# Altium PCB ARDUINO1.PcbDoc (part 2 of 2)
Units mil, origin at the board's own origin, x right, y up, seen from the top; angles counter-clockwise.
Board outline 6000 x 4000 mil, 2 copper layers (Top Layer, Bottom Layer); 24 components, 102 nets, 195 pads, 23 vias.
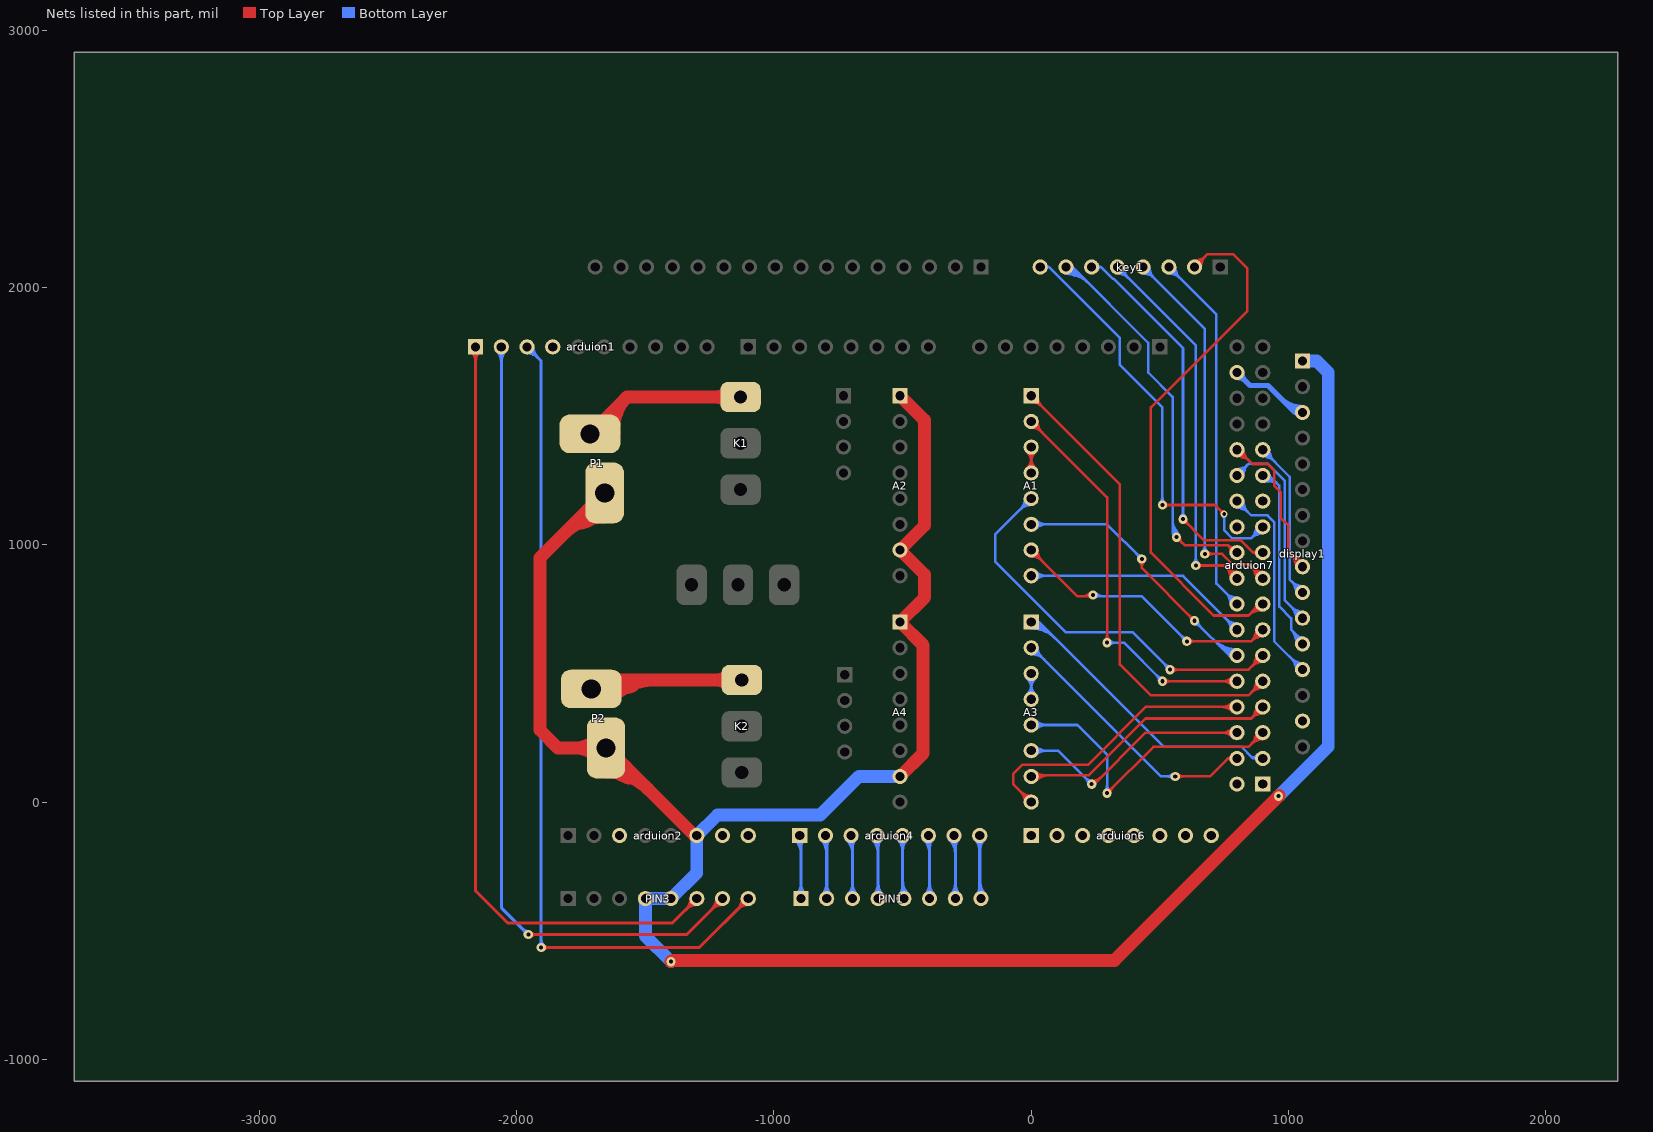
[diagram p2: the nets of this part, all layers, seen from the top]

## Via types
v1: diameter 36, hole 16, Top Layer to Bottom Layer, 22 vias
v2: diameter 28, hole 14, Top Layer to Bottom Layer, 1 vias

## Nets (pads, with @x,y where several pads share a name; then routed paths per layer and width w, separated by ;. In a path a pad name is that pad's centre, name@x,y a point inside that pad or via, vN(x,y) a via of type N, cw(c..) or ccw(c..) an arc to the next point about the centre after c; other vN are vias at no path point) (continued)
28: arduion7.28 display1.9 | length 1324.1
  Top Layer w10: arduion7.28@794.73,1368.54 ccw(c835.6,1379.84) 824.63,1338.87 ; arduion7.28@800,1370 805,1370 860.47,1314.53 918.44,1314.53 944.53,1288.44 944.53,1230.47 970,1205 970,1105 1000,1075 1000,970 display1.9@1055,915 ; arduion7.28@800.69,1375.43 cw(c796.32,1340.93) 829.9,1349.93 ; 1024.48,937.35 ccw(c1061.61,947.3) display1.9@1053.9,909.64 ; 1032.65,945.52 cw(c1022.7,908.39) display1.9@1060.36,916.1 ; 1013.13,956.87 cw(c971.26,915) 1030.47,915 ccw(c971.26,915) 1013.13,956.87 ; 1013.13,956.87 ccw(c1055,998.74) 1055,939.53 cw(c1055,998.74) 1013.13,956.87 ; 1030.2,939.8 cw(c1005.4,915) 1040.47,915 ccw(c1005.4,915) 1030.2,939.8 ; 1030.2,939.8 ccw(c1055,964.6) 1055,929.53 cw(c1055,964.6) 1030.2,939.8 ; arduion7.28@800,1345.47 cw(c800,1274.19) 850.41,1324.59 ccw(c800,1274.19) arduion7.28@800,1345.47 ; arduion7.28@800,1355.47 cw(c800,1308.33) 833.34,1341.66 ccw(c800,1308.33) arduion7.28@800,1355.47 ; arduion7.28@824.53,1370 ccw(c871.67,1370) 838.34,1336.66 cw(c871.67,1370) arduion7.28@824.53,1370
29: arduion7.27 display1.10 | length 1381.8
  Bottom Layer w10: arduion7.27@894.64,1368.9 ccw(c932.3,1376.61) 922.35,1339.48 ; arduion7.27@900,1370 1005,1265 1005,865 display1.10@1055,815 ; arduion7.27@901.1,1375.36 cw(c893.39,1337.7) 930.52,1347.65 ; 1024.48,837.35 ccw(c1061.61,847.3) display1.10@1053.9,809.64 ; 1032.65,845.52 cw(c1022.7,808.39) display1.10@1060.36,816.1 ; 924.8,1345.2 cw(c949.6,1370) 914.53,1370 ccw(c949.6,1370) 924.8,1345.2 ; 924.8,1345.2 ccw(c900,1320.4) 900,1355.47 cw(c900,1320.4) 924.8,1345.2 ; 941.87,1328.13 cw(c983.74,1370) 924.53,1370 ccw(c983.74,1370) 941.87,1328.13 ; 941.87,1328.13 ccw(c900,1286.26) 900,1345.47 cw(c900,1286.26) 941.87,1328.13 ; 1013.13,856.87 cw(c971.26,815) 1030.47,815 ccw(c971.26,815) 1013.13,856.87 ; 1013.13,856.87 ccw(c1055,898.74) 1055,839.53 cw(c1055,898.74) 1013.13,856.87 ; 1030.2,839.8 cw(c1005.4,815) 1040.47,815 ccw(c1005.4,815) 1030.2,839.8 ; 1030.2,839.8 ccw(c1055,864.6) 1055,829.53 cw(c1055,864.6) 1030.2,839.8
30: arduion7.26 display1.11 | length 1557.2
  Bottom Layer w10: arduion7.26@794.64,1271.1 cw(c832.3,1263.39) 822.35,1300.52 ; arduion7.26@800,1270 845,1315 920,1315 985,1250 985,785 display1.11@1055,715 ; arduion7.26@801.1,1264.64 ccw(c793.39,1302.3) 830.52,1292.35 ; 1024.48,737.35 ccw(c1061.61,747.3) display1.11@1053.9,709.64 ; 1032.65,745.52 cw(c1022.7,708.39) display1.11@1060.36,716.1 ; 824.8,1294.8 cw(c800,1319.6) 800,1284.53 ccw(c800,1319.6) 824.8,1294.8 ; 824.8,1294.8 ccw(c849.6,1270) 814.53,1270 cw(c849.6,1270) 824.8,1294.8 ; 841.87,1311.87 cw(c800,1353.74) 800,1294.53 ccw(c800,1353.74) 841.87,1311.87 ; 841.87,1311.87 ccw(c883.74,1270) 824.53,1270 cw(c883.74,1270) 841.87,1311.87 ; 1013.13,756.87 cw(c971.26,715) 1030.47,715 ccw(c971.26,715) 1013.13,756.87 ; 1013.13,756.87 ccw(c1055,798.74) 1055,739.53 cw(c1055,798.74) 1013.13,756.87 ; 1030.2,739.8 cw(c1005.4,715) 1040.47,715 ccw(c1005.4,715) 1030.2,739.8 ; 1030.2,739.8 ccw(c1055,764.6) 1055,729.53 cw(c1055,764.6) 1030.2,739.8
31: arduion7.25 display1.12 | length 1391.1
  Bottom Layer w10: arduion7.25@888.91,1259.21 ccw(c920.11,1289.58) 919.52,1246.05 ; arduion7.25@900,1270 925,1270 965,1230 ; 1024.49,648 ccw(c1078.11,658.37) display1.12@1052.43,610.17 ; display1.12@1055,615 1055,625.94 1010.47,670.47 ; 965,1230 ccw(c921.25,1186.25) 906.03,1246.23 cw(c921.25,1186.25) 965,1230 ; 965,1230 965,760 1010.47,714.53 1010.47,670.47 ; 1010.47,670.47 cw(c961.63,621.62) 1030.53,616.74 ccw(c961.63,621.62) 1010.47,670.47 ; arduion7.25@901.11,1265.61 cw(c911.18,1225.94) 940.12,1254.88 ccw(c911.18,1225.94) arduion7.25@901.11,1265.61 ; arduion7.25@903.57,1255.92 cw(c916.21,1206.09) 952.56,1242.44 ccw(c916.21,1206.09) arduion7.25@903.57,1255.92 ; 1025.97,654.98 cw(c990.57,619.57) 1040.51,616.03 ccw(c990.57,619.57) 1025.97,654.98 ; 1031.81,649.13 ccw(c1055,672.32) 1055,639.53 cw(c1055,672.32) 1031.81,649.13
32: arduion7.24 display1.13 | length 1560.1
  Bottom Layer w10: arduion7.24@794.64,1168.9 ccw(c832.3,1176.61) 822.35,1139.48 ; arduion7.24@800,1170 855.47,1114.53 918.44,1114.53 944.53,1088.44 944.53,625.47 display1.13@1055,515 ; arduion7.24@801.1,1175.36 cw(c793.39,1137.7) 830.52,1147.65 ; 1024.48,537.35 ccw(c1061.61,547.3) display1.13@1053.9,509.64 ; 1032.65,545.52 cw(c1022.7,508.39) display1.13@1060.36,516.1 ; 824.8,1145.2 cw(c849.6,1170) 814.53,1170 ccw(c849.6,1170) 824.8,1145.2 ; 824.8,1145.2 ccw(c800,1120.4) 800,1155.47 cw(c800,1120.4) 824.8,1145.2 ; 841.87,1128.13 cw(c883.74,1170) 824.53,1170 ccw(c883.74,1170) 841.87,1128.13 ; 841.87,1128.13 ccw(c800,1086.26) 800,1145.47 cw(c800,1086.26) 841.87,1128.13 ; 1013.13,556.87 cw(c971.26,515) 1030.47,515 ccw(c971.26,515) 1013.13,556.87 ; 1013.13,556.87 ccw(c1055,598.74) 1055,539.53 cw(c1055,598.74) 1013.13,556.87 ; 1030.2,539.8 cw(c1005.4,515) 1040.47,515 ccw(c1005.4,515) 1030.2,539.8 ; 1030.2,539.8 ccw(c1055,564.6) 1055,529.53 cw(c1055,564.6) 1030.2,539.8
33: arduion7.23 | length 10.9
  Top Layer w10: arduion7.23@900,1159.06 arduion7.23@900,1170
34: arduion7.22
35: arduion7.21 key1.8 | length 2470.1
  Top Layer w10: v1(510,1155) 715,1155 v2(750,1120) ; 738.38,1129.78 ccw(c752.79,1133.64) v2@749.8,1119.02 ; 740.22,1131.62 cw(c736.36,1117.21) v2@750.98,1120.2 ; 541.38,1155 cw(c541.38,1186.38) 519.19,1164.19 ccw(c541.38,1186.38) 541.38,1155 ; 541.38,1155 ccw(c541.38,1123.62) 519.19,1145.81 cw(c541.38,1123.62) 541.38,1155 ; 734.64,1135.36 cw(c719.27,1120) 741,1120 ccw(c719.27,1120) 734.64,1135.36 ; 734.64,1135.36 ccw(c750,1150.73) 750,1129 cw(c750,1150.73) 734.64,1135.36
  Bottom Layer w10: key1.8@35,2080 70,2080 ; v1(510,1155) 510,1535 345,1700 345,1805 70,2080 ; v2@755.47,1114.53 v2(750,1120) 750,1057.03 781.56,1025.47 855.47,1025.47 arduion7.21@900,1070 arduion7.21@889.06,1070 ; 869.48,1047.65 cw(c906.61,1037.7) arduion7.21@898.9,1075.36 ; 877.65,1039.48 ccw(c867.7,1076.61) arduion7.21@905.36,1068.9 ; 70,2080 cw(c70,2092.71) 58.06,2088.37 ccw(c70,2092.71) 70,2080 ; 70,2080 ccw(c70,2067.29) 58.06,2071.63 cw(c70,2067.29) 70,2080 ; 510,1186.38 cw(c478.62,1186.38) 500.81,1164.19 ccw(c478.62,1186.38) 510,1186.38 ; 510,1186.38 ccw(c541.38,1186.38) 519.19,1164.19 cw(c541.38,1186.38) 510,1186.38 ; 750,1098.27 cw(c771.73,1098.27) 756.36,1113.64 ccw(c771.73,1098.27) 750,1098.27 ; 750,1098.27 ccw(c728.27,1098.27) 743.64,1113.64 cw(c728.27,1098.27) 750,1098.27 ; 858.13,1028.13 cw(c900,986.26) 900,1045.47 ccw(c900,986.26) 858.13,1028.13 ; 858.13,1028.13 ccw(c816.26,1070) 875.47,1070 cw(c816.26,1070) 858.13,1028.13 ; 875.2,1045.2 cw(c900,1020.4) 900,1055.47 ccw(c900,1020.4) 875.2,1045.2 ; 875.2,1045.2 ccw(c850.4,1070) 885.47,1070 cw(c850.4,1070) 875.2,1045.2
36: arduion7.20 key1.7 | length 2918.3
  Top Layer w10: v1(565,1030) 597,998 765.31,998 ; arduion7.20@800,970 793.31,970 765.31,998 ; 587.19,1007.81 cw(c609.38,1030) 578,1030 ccw(c609.38,1030) 587.19,1007.81 ; 587.19,1007.81 ccw(c565,985.62) 565,1017 cw(c565,985.62) 587.19,1007.81 ; 765.31,998 cw(c740.57,973.26) 775.51,971.34 ccw(c740.57,973.26) 765.31,998 ; 765.31,998 ccw(c782.06,1014.74) 790.87,992.77 cw(c782.06,1014.74) 765.31,998 ; 776.03,987.29 ccw(c788.19,999.45) 794.59,983.48 cw(c788.19,999.45) 776.03,987.29
  Bottom Layer w10: key1.7@121.3,2072.81 ccw(c157.29,2091.69) 147.13,2052.34 ; key1.7@130.15,2077.46 ccw(c184.22,2105.82) 168.96,2046.71 ; key1.7@135,2080 160,2080 455,1785 455,1670 550,1575 550,1045 v1(565,1030) ; key1.7@139.01,2082.1 ccw(c211.14,2119.95) 190.79,2041.08 ; key1.7@139.2,2081.7 ccw(c178.3,2097.56) 167.38,2056.8 ; key1.7@148.46,2085.46 ccw(c201.63,2107.02) 186.78,2051.6 ; key1.7@149.29,2082.6 ccw(c167.49,2085.92) 162.7,2068.05 ; 552.83,1056.88 cw(c533.72,1045.85) v1@553.4,1035.87 ; v1@554.71,1037.94 ccw(c532.63,1054.96) 556.67,1069.06 ; 555.31,1052.57 ccw(c573.93,1063.32) v1@568.36,1042.56 ; v1@562.62,1031.83 ccw(c545.29,1045.2) 564.17,1056.28 ; key1.7@135,2055.47 cw(c135,1935.9) 219.55,2020.45 ccw(c135,1935.9) key1.7@135,2055.47 ; key1.7@135,2065.47 cw(c135,1970.04) 202.48,2037.52 ccw(c135,1970.04) key1.7@135,2065.47 ; key1.7@135,2075.47 cw(c135,2004.19) 185.41,2054.59 ccw(c135,2004.19) key1.7@135,2075.47 ; key1.7@135,2085.47 cw(c135,2038.33) 168.34,2071.66 ccw(c135,2038.33) key1.7@135,2085.47 ; 550,1049.31 ccw(c584.31,1049.31) 560.05,1025.05 cw(c584.31,1049.31) 550,1049.31 ; 550,1073.46 ccw(c608.46,1073.46) 567.12,1032.12 cw(c608.46,1073.46) 550,1073.46 ; 550,1097.6 ccw(c632.6,1097.6) 574.19,1039.19 cw(c632.6,1097.6) 550,1097.6
37: arduion7.19 key1.6 | length 1858.3
  Top Layer w10: v1(590,1100) 672,1018 814.97,1018 862.97,970 ; arduion7.19@900,970 862.97,970 ; 612.19,1077.81 cw(c634.38,1100) 603,1100 ccw(c634.38,1100) 612.19,1077.81 ; 612.19,1077.81 ccw(c590,1055.62) 590,1087 cw(c590,1055.62) 612.19,1077.81 ; 862.97,970 cw(c862.97,954.32) 877.42,960.43 ccw(c862.97,954.32) 862.97,970 ; 862.97,970 ccw(c862.97,985.68) 877.42,979.57 cw(c862.97,985.68) 862.97,970
  Bottom Layer w10: key1.6@235,2080 272.03,2080 ; v1(590,1100) 590,1765 319.53,2035.47 316.56,2035.47 272.03,2080 ; 272.03,2080 cw(c272.03,2095.68) 257.58,2089.57 ccw(c272.03,2095.68) 272.03,2080 ; 272.03,2080 ccw(c272.03,2064.32) 257.58,2070.43 cw(c272.03,2064.32) 272.03,2080 ; 590,1131.38 cw(c558.62,1131.38) 580.81,1109.19 ccw(c558.62,1131.38) 590,1131.38 ; 590,1131.38 ccw(c621.38,1131.38) 599.19,1109.19 cw(c621.38,1131.38) 590,1131.38
38: arduion7.18 key1.5 | length 2426.9
  Top Layer w10: v1(640,920) 750,920 arduion7.18@800,870 ; 769.48,892.35 ccw(c806.61,902.3) arduion7.18@798.9,864.64 ; 777.65,900.52 cw(c767.7,863.39) arduion7.18@805.36,871.1 ; 671.38,920 cw(c671.38,951.38) 649.19,929.19 ccw(c671.38,951.38) 671.38,920 ; 671.38,920 ccw(c671.38,888.62) 649.19,910.81 cw(c671.38,888.62) 671.38,920 ; 758.13,911.87 cw(c716.26,870) 775.47,870 ccw(c716.26,870) 758.13,911.87 ; 758.13,911.87 ccw(c800,953.74) 800,894.53 cw(c800,953.74) 758.13,911.87 ; 775.2,894.8 cw(c750.4,870) 785.47,870 ccw(c750.4,870) 775.2,894.8 ; 775.2,894.8 ccw(c800,919.6) 800,884.53 cw(c800,919.6) 775.2,894.8
  Bottom Layer w10: key1.5@329.64,2078.9 ccw(c367.3,2086.61) 357.35,2049.48 ; key1.5@335,2080 640,1775 v1(640,920) ; key1.5@336.1,2085.36 cw(c328.39,2047.7) 365.52,2057.65 ; 359.8,2055.2 cw(c384.6,2080) 349.53,2080 ccw(c384.6,2080) 359.8,2055.2 ; 359.8,2055.2 ccw(c335,2030.4) 335,2065.47 cw(c335,2030.4) 359.8,2055.2 ; 376.87,2038.13 cw(c418.74,2080) 359.53,2080 ccw(c418.74,2080) 376.87,2038.13 ; 376.87,2038.13 ccw(c335,1996.26) 335,2055.47 cw(c335,1996.26) 376.87,2038.13 ; 640,951.38 cw(c608.62,951.38) 630.81,929.19 ccw(c608.62,951.38) 640,951.38 ; 640,951.38 ccw(c671.38,951.38) 649.19,929.19 cw(c671.38,951.38) 640,951.38
39: arduion7.17 key1.4 | length 2438.6
  Top Layer w10: v1(675,965) 742.03,965 781.56,925.47 844.53,925.47 arduion7.17@900,870 ; 869.48,892.35 ccw(c906.61,902.3) arduion7.17@898.9,864.64 ; 877.65,900.52 cw(c867.7,863.39) arduion7.17@905.36,871.1 ; 706.38,965 cw(c706.38,996.38) 684.19,974.19 ccw(c706.38,996.38) 706.38,965 ; 706.38,965 ccw(c706.38,933.62) 684.19,955.81 cw(c706.38,933.62) 706.38,965 ; 858.13,911.87 cw(c816.26,870) 875.47,870 ccw(c816.26,870) 858.13,911.87 ; 858.13,911.87 ccw(c900,953.74) 900,894.53 cw(c900,953.74) 858.13,911.87 ; 875.2,894.8 cw(c850.4,870) 885.47,870 ccw(c850.4,870) 875.2,894.8 ; 875.2,894.8 ccw(c900,919.6) 900,884.53 cw(c900,919.6) 875.2,894.8
  Bottom Layer w10: key1.4@429.64,2078.9 ccw(c467.3,2086.61) 457.35,2049.48 ; key1.4@435,2080 675,1840 v1(675,965) ; key1.4@436.1,2085.36 cw(c428.39,2047.7) 465.52,2057.65 ; 459.8,2055.2 cw(c484.6,2080) 449.53,2080 ccw(c484.6,2080) 459.8,2055.2 ; 459.8,2055.2 ccw(c435,2030.4) 435,2065.47 cw(c435,2030.4) 459.8,2055.2 ; 476.87,2038.13 cw(c518.74,2080) 459.53,2080 ccw(c518.74,2080) 476.87,2038.13 ; 476.87,2038.13 ccw(c435,1996.26) 435,2055.47 cw(c435,1996.26) 476.87,2038.13 ; 675,996.38 cw(c643.62,996.38) 665.81,974.19 ccw(c643.62,996.38) 675,996.38 ; 675,996.38 ccw(c706.38,996.38) 684.19,974.19 cw(c706.38,996.38) 675,996.38
40: arduion7.16 key1.3 | length 2182.4
  Bottom Layer w10: key1.3@529.64,2078.9 ccw(c567.3,2086.61) 557.35,2049.48 ; key1.3@535,2080 720,1895 720,850 arduion7.16@800,770 ; key1.3@536.1,2085.36 cw(c528.39,2047.7) 565.52,2057.65 ; 769.48,792.35 ccw(c806.61,802.3) arduion7.16@798.9,764.64 ; 777.65,800.52 cw(c767.7,763.39) arduion7.16@805.36,771.1 ; 559.8,2055.2 cw(c584.6,2080) 549.53,2080 ccw(c584.6,2080) 559.8,2055.2 ; 559.8,2055.2 ccw(c535,2030.4) 535,2065.47 cw(c535,2030.4) 559.8,2055.2 ; 576.87,2038.13 cw(c618.74,2080) 559.53,2080 ccw(c618.74,2080) 576.87,2038.13 ; 576.87,2038.13 ccw(c535,1996.26) 535,2055.47 cw(c535,1996.26) 576.87,2038.13 ; 758.13,811.87 cw(c716.26,770) 775.47,770 ccw(c716.26,770) 758.13,811.87 ; 758.13,811.87 ccw(c800,853.74) 800,794.53 cw(c800,853.74) 758.13,811.87 ; 775.2,794.8 cw(c750.4,770) 785.47,770 ccw(c750.4,770) 775.2,794.8 ; 775.2,794.8 ccw(c800,819.6) 800,784.53 cw(c800,819.6) 775.2,794.8
41: arduion7.15 key1.2 | length 2821.8
  Top Layer w10: key1.2@629.64,2081.1 cw(c667.3,2073.39) 657.35,2110.52 ; key1.2@635,2080 685,2130 785,2130 840,2075 840,1910 465,1535 465,970 709.53,725.47 844.53,725.47 ; key1.2@636.1,2074.64 ccw(c628.39,2112.3) 665.52,2102.35 ; 867,739.49 ccw(c856.63,793.11) arduion7.15@904.83,767.43 ; 870.82,752.64 cw(c900.58,744.67) arduion7.15@899.87,775.47 ; 872.13,750.32 ccw(c866.28,780.57) arduion7.15@895.68,771.35 ; arduion7.15@900,770 889.06,770 844.53,725.47 ; 659.8,2104.8 cw(c635,2129.6) 635,2094.53 ccw(c635,2129.6) 659.8,2104.8 ; 659.8,2104.8 ccw(c684.6,2080) 649.53,2080 cw(c684.6,2080) 659.8,2104.8 ; 676.87,2121.87 cw(c635,2163.74) 635,2104.53 ccw(c635,2163.74) 676.87,2121.87 ; 676.87,2121.87 ccw(c718.74,2080) 659.53,2080 cw(c718.74,2080) 676.87,2121.87 ; 844.53,725.47 cw(c893.38,676.63) 898.26,745.53 ccw(c893.38,676.63) 844.53,725.47 ; 860.02,740.97 cw(c895.43,705.57) 898.97,755.51 ccw(c895.43,705.57) 860.02,740.97 ; 865.87,746.81 ccw(c842.68,770) 875.47,770 cw(c842.68,770) 865.87,746.81
42: A1.8 arduion7.14 | length 1183.2
  Bottom Layer w10: A1.8@0,880 590,880 arduion7.14@800,670 ; A1.8@10.27,869.73 cw(c35.07,844.93) 35.07,880 cw(c35.07,915.07) A1.8@10.27,890.27 ; A1.8@17.34,862.66 cw(c59.21,820.79) 59.21,880 cw(c59.21,939.21) A1.8@17.34,897.34 ; arduion7.14@775.47,670 ccw(c716.26,670) 758.13,711.87 ccw(c800,753.74) arduion7.14@800,694.53 ; arduion7.14@785.47,670 ccw(c750.4,670) 775.2,694.8 ccw(c800,719.6) arduion7.14@800,684.53
43: A1.7 arduion7.13 | length 1835.5
  Top Layer w10: A1.7@0,955.47 cw(c0,896.26) 41.87,938.13 cw(c83.74,980) A1.7@24.53,980 ; A1.7@0,965.47 cw(c0,930.4) 24.8,955.2 cw(c49.6,980) A1.7@14.53,980 ; A1.7@0,980 180,800 240,800 v1(240,805) ; 196.54,800 ccw(c196.54,848.46) v1@230.81,814.19 ; v1@230.81,795.81 ccw(c220.69,785.69) 220.69,800 ccw(c220.69,824.31) v1@237.88,807.12 ; v1(605,625) 855,625 arduion7.13@900,670 ; v1@614.19,615.81 cw(c636.38,593.62) 636.38,625 cw(c636.38,656.38) v1@614.19,634.19 ; 869.48,647.65 cw(c906.61,637.7) arduion7.13@898.9,675.36 ; 877.65,639.48 ccw(c867.7,676.61) arduion7.13@905.36,668.9 ; 858.13,628.13 cw(c900,586.26) 900,645.47 ccw(c900,586.26) 858.13,628.13 ; 858.13,628.13 ccw(c816.26,670) 875.47,670 cw(c816.26,670) 858.13,628.13 ; 875.2,645.2 cw(c900,620.4) 900,655.47 ccw(c900,620.4) 875.2,645.2 ; 875.2,645.2 ccw(c850.4,670) 885.47,670 cw(c850.4,670) 875.2,645.2
  Bottom Layer w10: v1@240,800 430,800 v1(605,625) ; v1@242.12,807.12 ccw(c259.31,824.31) 259.31,800 ccw(c259.31,785.69) v1@249.19,795.81 ; v1@249.19,814.19 ccw(c283.46,848.46) 283.46,800 ; v1@592,625 ccw(c560.62,625) 582.81,647.19 ccw(c605,669.38) v1@605,638
44: A1.6 arduion7.12 | length 1693.5
  Top Layer w10: v1@420.81,935.81 cw(c398.62,913.62) 430,913.62 cw(c461.38,913.62) v1@439.19,935.81 ; v1(430,945) 430,910 v1(635,705) ; v1@622,705 ccw(c590.62,705) 612.81,727.19 ccw(c635,749.38) v1@635,718
  Bottom Layer w10: A1.6@0,1080 295,1080 v1(430,945) ; A1.6@10.27,1069.73 cw(c35.07,1044.93) 35.07,1080 cw(c35.07,1115.07) A1.6@10.27,1090.27 ; A1.6@17.34,1062.66 cw(c59.21,1020.79) 59.21,1080 cw(c59.21,1139.21) A1.6@17.34,1097.34 ; v1@417,945 ccw(c385.62,945) 407.81,967.19 ccw(c430,989.38) v1@430,958 ; v1@635,692 cw(c635,660.62) 657.19,682.81 cw(c679.38,705) v1@648,705 ; v1(635,705) 770,570 ; 706.92,633.08 ccw(c800,726.17) arduion7.12@800,594.53 ; 723.99,616.01 ccw(c800,692.03) arduion7.12@800,584.53 ; 741.06,598.94 ccw(c800,657.88) arduion7.12@800,574.53 ; 758.13,581.87 ccw(c800,623.74) arduion7.12@800,564.53 ; arduion7.12@775.96,565.13 ccw(c770,563.92) 770,570 ; arduion7.12@775.96,574.87 cw(c770,576.08) 770,570 ; arduion7.12@800,570 770,570
45: A1.5 arduion7.11 | length 2167.8
  Top Layer w10: v1(540,515) 845,515 arduion7.11@900,570 ; v1@549.19,505.81 cw(c571.38,483.62) 571.38,515 cw(c571.38,546.38) v1@549.19,524.19 ; 869.48,547.65 cw(c906.61,537.7) arduion7.11@898.9,575.36 ; 877.65,539.48 ccw(c867.7,576.61) arduion7.11@905.36,568.9 ; 858.13,528.13 cw(c900,486.26) 900,545.47 ccw(c900,486.26) 858.13,528.13 ; 858.13,528.13 ccw(c816.26,570) 875.47,570 cw(c816.26,570) 858.13,528.13 ; 875.2,545.2 cw(c900,520.4) 900,555.47 ccw(c900,520.4) 875.2,545.2 ; 875.2,545.2 ccw(c850.4,570) 885.47,570 cw(c850.4,570) 875.2,545.2
  Bottom Layer w10: A1.5@-24.53,1180 cw(c-83.74,1180) -41.87,1138.13 cw(c0,1096.26) A1.5@0,1155.47 ; A1.5@-14.53,1180 cw(c-49.6,1180) -24.8,1155.2 cw(c0,1130.4) A1.5@0,1165.47 ; A1.5@0,1180 -140,1040 -140,935 135,660 395,660 v1(540,515) ; v1@527,515 ccw(c495.62,515) 517.81,537.19 ccw(c540,559.38) v1@540,528
46: A1.2 arduion7.10 | length 2190.8
  Top Layer w10: A1.2@0,1455.47 cw(c0,1396.26) 41.87,1438.13 cw(c83.74,1480) A1.2@24.53,1480 ; A1.2@0,1465.47 cw(c0,1430.4) 24.8,1455.2 cw(c49.6,1480) A1.2@14.53,1480 ; A1.2@0,1480 295,1185 v1(295,620) ; v1@285.81,629.19 ccw(c263.62,651.38) 295,651.38 ccw(c326.38,651.38) v1@304.19,629.19 ; v1(510,470) arduion7.10@800,470 ; v1@519.19,460.81 cw(c541.38,438.62) 541.38,470 cw(c541.38,501.38) v1@519.19,479.19 ; 740.79,470 cw(c740.79,410.79) 782.66,452.66 ccw(c740.79,410.79) 740.79,470 ; 740.79,470 ccw(c740.79,529.21) 782.66,487.34 cw(c740.79,529.21) 740.79,470 ; 764.93,470 cw(c764.93,434.93) 789.73,459.73 ccw(c764.93,434.93) 764.93,470 ; 764.93,470 ccw(c764.93,505.07) 789.73,480.27 cw(c764.93,505.07) 764.93,470
  Bottom Layer w10: v1(295,620) 360,620 v1(510,470) ; v1@304.19,610.81 cw(c326.38,588.62) 326.38,620 cw(c326.38,651.38) v1@304.19,629.19 ; v1@497,470 ccw(c465.62,470) 487.81,492.19 ccw(c510,514.38) v1@510,483
47: A1.1 arduion7.9 | length 2344.8
  Top Layer w10: A1.1@0,1555.47 cw(c0,1496.26) 41.87,1538.13 cw(c83.74,1580) A1.1@24.53,1580 ; A1.1@0,1565.47 cw(c0,1530.4) 24.8,1555.2 cw(c49.6,1580) A1.1@14.53,1580 ; A1.1@0,1580 345,1235 345,535 465,415 845,415 arduion7.9@900,470 ; 869.48,447.65 cw(c906.61,437.7) arduion7.9@898.9,475.36 ; 877.65,439.48 ccw(c867.7,476.61) arduion7.9@905.36,468.9 ; 858.13,428.13 cw(c900,386.26) 900,445.47 ccw(c900,386.26) 858.13,428.13 ; 858.13,428.13 ccw(c816.26,470) 875.47,470 cw(c816.26,470) 858.13,428.13 ; 875.2,445.2 cw(c900,420.4) 900,455.47 ccw(c900,420.4) 875.2,445.2 ; 875.2,445.2 ccw(c850.4,470) 885.47,470 cw(c850.4,470) 875.2,445.2
48: A3.8 arduion7.8 | length 1353.7
  Top Layer w10: A3.8@-24.53,0 ccw(c-83.74,0) -41.87,41.87 ccw(c0,83.74) A3.8@0,24.53 ; A3.8@-14.53,0 ccw(c-49.6,0) -24.8,24.8 ccw(c0,49.6) A3.8@0,14.53 ; A3.8@0,0 -70,70 -70,110 -35,145 220,145 445,370 740.79,370 ; arduion7.8@782.66,352.66 ccw(c740.79,310.79) 740.79,370 ; arduion7.8@782.66,387.34 cw(c740.79,429.21) 740.79,370 ; arduion7.8@789.73,359.73 ccw(c764.93,334.93) 764.93,370 ccw(c764.93,405.07) arduion7.8@789.73,380.27
49: A3.7 arduion7.7 | length 1532.1
  Top Layer w10: A3.7@-5,100 0,105 225,105 445,325 855,325 arduion7.7@900,370 ; A3.7@10.27,89.73 cw(c47.14,52.86) 47.14,105 cw(c47.14,147.14) A3.7@17.34,117.34 ; A3.7@17.34,82.66 cw(c71.29,28.71) 71.29,105 ; 869.48,347.65 cw(c906.61,337.7) arduion7.7@898.9,375.36 ; 877.65,339.48 ccw(c867.7,376.61) arduion7.7@905.36,368.9 ; 858.13,328.13 cw(c900,286.26) 900,345.47 ccw(c900,286.26) 858.13,328.13 ; 858.13,328.13 ccw(c816.26,370) 875.47,370 cw(c816.26,370) 858.13,328.13 ; 875.2,345.2 cw(c900,320.4) 900,355.47 ccw(c900,320.4) 875.2,345.2 ; 875.2,345.2 ccw(c850.4,370) 885.47,370 cw(c850.4,370) 875.2,345.2
50: A3.6 arduion7.6 | length 1288.3
  Top Layer w10: v1@235,73 ccw(c235,104.38) 257.19,82.19 ; v1@235,83 ccw(c235,138.53) 274.26,99.26 ; v1@240,65 445,270 740.79,270 ; arduion7.6@782.66,252.66 ccw(c740.79,210.79) 740.79,270 ; arduion7.6@782.66,287.34 cw(c740.79,329.21) 740.79,270 ; arduion7.6@789.73,259.73 ccw(c764.93,234.93) 764.93,270 ccw(c764.93,305.07) arduion7.6@789.73,280.27
  Bottom Layer w10: A3.6@0,200 105,200 v1(235,70) ; A3.6@10.27,189.73 cw(c35.07,164.93) 35.07,200 cw(c35.07,235.07) A3.6@10.27,210.27 ; A3.6@17.34,182.66 cw(c59.21,140.79) 59.21,200 cw(c59.21,259.21) A3.6@17.34,217.34 ; v1@222,70 ccw(c190.62,70) 212.81,92.19 ccw(c235,114.38) v1@235,83
51: A3.5 arduion7.5 | length 1823
  Top Layer w10: v1(295,35) 475,215 845,215 arduion7.5@900,270 ; v1@295,48 ccw(c295,79.38) 317.19,57.19 ccw(c339.38,35) v1@308,35 ; 869.48,247.65 cw(c906.61,237.7) arduion7.5@898.9,275.36 ; 877.65,239.48 ccw(c867.7,276.61) arduion7.5@905.36,268.9 ; 858.13,228.13 cw(c900,186.26) 900,245.47 ccw(c900,186.26) 858.13,228.13 ; 858.13,228.13 ccw(c816.26,270) 875.47,270 cw(c816.26,270) 858.13,228.13 ; 875.2,245.2 cw(c900,220.4) 900,255.47 ccw(c900,220.4) 875.2,245.2 ; 875.2,245.2 ccw(c850.4,270) 885.47,270 cw(c850.4,270) 875.2,245.2
  Bottom Layer w10: A3.5@0,300 180,300 295,185 v1(295,35) ; A3.5@10.27,289.73 cw(c35.07,264.93) 35.07,300 cw(c35.07,335.07) A3.5@10.27,310.27 ; A3.5@17.34,282.66 cw(c59.21,240.79) 59.21,300 cw(c59.21,359.21) A3.5@17.34,317.34 ; v1@285.81,44.19 ccw(c263.62,66.38) 295,66.38 ccw(c326.38,66.38) v1@304.19,44.19
52: A3.2 arduion7.4 | length 1328.9
  Top Layer w10: v1(560,100) 695,100 765,170 ; v1@569.19,90.81 cw(c591.38,68.62) 591.38,100 cw(c591.38,131.38) v1@569.19,109.19 ; arduion7.4@800,170 765,170 ; 765,170 cw(c765,157.29) 776.94,161.63 ccw(c765,157.29) 765,170 ; 765,170 ccw(c765,182.71) 776.94,178.37 cw(c765,182.71) 765,170
  Bottom Layer w10: A3.2@0,575.47 cw(c0,504.19) 50.41,554.59 ; A3.2@0,585.47 cw(c0,538.33) 33.34,571.66 ; A3.2@0,605 505,100 v1(560,100) ; A3.2@24.53,600 ccw(c71.67,600) 38.34,566.66 ; v1@550.81,90.81 ccw(c528.62,68.62) 528.62,100 ccw(c528.62,131.38) v1@550.81,109.19
53: A3.1 arduion7.3 | length 1494.8
  Bottom Layer w10: A3.1@-5,700 A3.1@0,700 30,700 ; A3.1@0,675.47 cw(c0,543.83) 93.08,636.92 ; A3.1@0,685.47 cw(c0,577.97) 76.01,653.99 ; A3.1@0,695.47 cw(c0,612.12) 58.94,671.06 ; A3.1@0,705.47 cw(c0,646.26) 41.87,688.13 ; A3.1@24.04,695.13 cw(c30,693.92) 30,700 ; A3.1@24.04,704.87 ccw(c30,706.08) 30,700 ; 862.97,170 858.99,173.99 ; arduion7.3@877.01,161.46 ccw(c858.99,154.76) 858.99,173.99 ; arduion7.3@880.36,184.69 cw(c858.99,200.67) 858.99,173.99 ; arduion7.3@900,170 896.01,173.99 858.99,173.99 ; 30,700 515.47,214.53 818.44,214.53 858.99,173.99
A0: arduion4.1 PIN1.1 | length 674.5
  Bottom Layer w12: arduion4.1@-900,-130 -895,-135 PIN1.1@-895,-375 ; -895,-318.2 cw(c-951.8,-318.2) -911.64,-358.36 ccw(c-951.8,-318.2) -895,-318.2 ; -895,-318.2 ccw(c-838.2,-318.2) -878.36,-358.36 cw(c-838.2,-318.2) -895,-318.2 ; arduion4.1@-916.64,-146.64 cw(c-968.87,-198.87) -895,-198.87 ccw(c-968.87,-198.87) arduion4.1@-916.64,-146.64 ; arduion4.1@-908.15,-138.15 cw(c-939.9,-169.9) -895,-169.9 ccw(c-939.9,-169.9) arduion4.1@-908.15,-138.15 ; -895,-174.73 cw(c-855.27,-174.73) -883.36,-146.64 ccw(c-855.27,-174.73) -895,-174.73
A1: arduion4.2 PIN1.2 | length 674.5
  Bottom Layer w12: arduion4.2@-800,-130 -795,-135 PIN1.2@-795,-375 ; -795,-318.2 cw(c-851.8,-318.2) -811.64,-358.36 ccw(c-851.8,-318.2) -795,-318.2 ; -795,-318.2 ccw(c-738.2,-318.2) -778.36,-358.36 cw(c-738.2,-318.2) -795,-318.2 ; arduion4.2@-816.64,-146.64 cw(c-868.87,-198.87) -795,-198.87 ccw(c-868.87,-198.87) arduion4.2@-816.64,-146.64 ; arduion4.2@-808.15,-138.15 cw(c-839.9,-169.9) -795,-169.9 ccw(c-839.9,-169.9) arduion4.2@-808.15,-138.15 ; -795,-174.73 cw(c-755.27,-174.73) -783.36,-146.64 ccw(c-755.27,-174.73) -795,-174.73
A2: arduion4.3 PIN1.3 | length 674.5
  Bottom Layer w12: arduion4.3@-700,-130 -695,-135 PIN1.3@-695,-375 ; -695,-318.2 cw(c-751.8,-318.2) -711.64,-358.36 ccw(c-751.8,-318.2) -695,-318.2 ; -695,-318.2 ccw(c-638.2,-318.2) -678.36,-358.36 cw(c-638.2,-318.2) -695,-318.2 ; arduion4.3@-716.64,-146.64 cw(c-768.87,-198.87) -695,-198.87 ccw(c-768.87,-198.87) arduion4.3@-716.64,-146.64 ; arduion4.3@-708.15,-138.15 cw(c-739.9,-169.9) -695,-169.9 ccw(c-739.9,-169.9) arduion4.3@-708.15,-138.15 ; -695,-174.73 cw(c-655.27,-174.73) -683.36,-146.64 ccw(c-655.27,-174.73) -695,-174.73
A3: arduion4.4 PIN1.4 | length 674.5
  Bottom Layer w12: arduion4.4@-600,-130 -595,-135 PIN1.4@-595,-375 ; -595,-318.2 cw(c-651.8,-318.2) -611.64,-358.36 ccw(c-651.8,-318.2) -595,-318.2 ; -595,-318.2 ccw(c-538.2,-318.2) -578.36,-358.36 cw(c-538.2,-318.2) -595,-318.2 ; arduion4.4@-616.64,-146.64 cw(c-668.87,-198.87) -595,-198.87 ccw(c-668.87,-198.87) arduion4.4@-616.64,-146.64 ; arduion4.4@-608.15,-138.15 cw(c-639.9,-169.9) -595,-169.9 ccw(c-639.9,-169.9) arduion4.4@-608.15,-138.15 ; -595,-174.73 cw(c-555.27,-174.73) -583.36,-146.64 ccw(c-555.27,-174.73) -595,-174.73
A4: arduion4.5 PIN1.5 | length 674.5
  Bottom Layer w12: arduion4.5@-500,-130 -500,-370 PIN1.5@-495,-375 ; -500,-186.8 cw(c-443.2,-186.8) -483.36,-146.64 ccw(c-443.2,-186.8) -500,-186.8 ; -500,-186.8 ccw(c-556.8,-186.8) -516.64,-146.64 cw(c-556.8,-186.8) -500,-186.8 ; PIN1.5@-511.64,-358.36 ccw(c-539.73,-330.27) -500,-330.27 cw(c-539.73,-330.27) PIN1.5@-511.64,-358.36 ; -500,-335.1 ccw(c-455.1,-335.1) -486.85,-366.85 cw(c-455.1,-335.1) -500,-335.1 ; -500,-306.13 ccw(c-426.13,-306.13) -478.36,-358.36 cw(c-426.13,-306.13) -500,-306.13
A5: arduion4.6 PIN1.6 | length 674.5
  Bottom Layer w12: arduion4.6@-400,-130 -395,-135 PIN1.6@-395,-375 ; -395,-318.2 cw(c-451.8,-318.2) -411.64,-358.36 ccw(c-451.8,-318.2) -395,-318.2 ; -395,-318.2 ccw(c-338.2,-318.2) -378.36,-358.36 cw(c-338.2,-318.2) -395,-318.2 ; arduion4.6@-416.64,-146.64 cw(c-468.87,-198.87) -395,-198.87 ccw(c-468.87,-198.87) arduion4.6@-416.64,-146.64 ; arduion4.6@-408.15,-138.15 cw(c-439.9,-169.9) -395,-169.9 ccw(c-439.9,-169.9) arduion4.6@-408.15,-138.15 ; -395,-174.73 cw(c-355.27,-174.73) -383.36,-146.64 ccw(c-355.27,-174.73) -395,-174.73
A6: arduion4.7 PIN1.7 | length 674.5
  Bottom Layer w12: arduion4.7@-300,-130 -295,-135 PIN1.7@-295,-375 ; -295,-318.2 cw(c-351.8,-318.2) -311.64,-358.36 ccw(c-351.8,-318.2) -295,-318.2 ; -295,-318.2 ccw(c-238.2,-318.2) -278.36,-358.36 cw(c-238.2,-318.2) -295,-318.2 ; arduion4.7@-316.64,-146.64 cw(c-368.87,-198.87) -295,-198.87 ccw(c-368.87,-198.87) arduion4.7@-316.64,-146.64 ; arduion4.7@-308.15,-138.15 cw(c-339.9,-169.9) -295,-169.9 ccw(c-339.9,-169.9) arduion4.7@-308.15,-138.15 ; -295,-174.73 cw(c-255.27,-174.73) -283.36,-146.64 ccw(c-255.27,-174.73) -295,-174.73
A7: arduion4.8 PIN1.8 | length 674.5
  Bottom Layer w12: arduion4.8@-200,-130 -200,-370 PIN1.8@-195,-375 ; -200,-186.8 cw(c-143.2,-186.8) -183.36,-146.64 ccw(c-143.2,-186.8) -200,-186.8 ; -200,-186.8 ccw(c-256.8,-186.8) -216.64,-146.64 cw(c-256.8,-186.8) -200,-186.8 ; PIN1.8@-211.64,-358.36 ccw(c-239.73,-330.27) -200,-330.27 cw(c-239.73,-330.27) PIN1.8@-211.64,-358.36 ; -200,-335.1 ccw(c-155.1,-335.1) -186.85,-366.85 cw(c-155.1,-335.1) -200,-335.1 ; -200,-306.13 ccw(c-126.13,-306.13) -178.36,-358.36 cw(c-126.13,-306.13) -200,-306.13
A8: arduion6.1
A9: arduion6.2
A10: arduion6.3
A11: arduion6.4
A12: arduion6.5
A13: arduion6.6
A14: arduion6.7
A15: arduion6.8
B1: arduion1.1 PIN3.6 | length 3513.2
  Top Layer w12: arduion1.1@-2160,1770 -2160,-345 -2035,-470 -1395,-470 PIN3.6@-1300,-375 ; -1331.27,-403.9 cw(c-1291.92,-414.45) PIN3.6@-1300.09,-374.54 ; -1328.9,-406.27 ccw(c-1339.45,-366.92) PIN3.6@-1299.54,-375.09 ; -2160,1713.2 cw(c-2103.2,1713.2) -2143.36,1753.36 ccw(c-2103.2,1713.2) -2160,1713.2 ; -2160,1713.2 ccw(c-2216.8,1713.2) -2176.64,1753.36 cw(c-2216.8,1713.2) -2160,1713.2 ; -1340.16,-415.16 cw(c-1300,-455.33) -1300,-398.53 ccw(c-1300,-455.33) -1340.16,-415.16 ; -1340.16,-415.16 ccw(c-1380.33,-375) -1323.53,-375 cw(c-1380.33,-375) -1340.16,-415.16
B2: arduion1.2 PIN3.7 | length 3770.6
  Top Layer w12: v1(-1955,-515) -1340,-515 PIN3.7@-1200,-375 ; -1231.27,-403.9 cw(c-1191.92,-414.45) PIN3.7@-1200.09,-374.54 ; -1228.9,-406.27 ccw(c-1239.45,-366.92) PIN3.7@-1199.54,-375.09 ; -1926.03,-515 cw(c-1926.03,-486.03) -1946.51,-506.51 ccw(c-1926.03,-486.03) -1926.03,-515 ; -1926.03,-515 ccw(c-1926.03,-543.97) -1946.51,-523.49 cw(c-1926.03,-543.97) -1926.03,-515 ; -1240.16,-415.16 cw(c-1200,-455.33) -1200,-398.53 ccw(c-1200,-455.33) -1240.16,-415.16 ; -1240.16,-415.16 ccw(c-1280.33,-375) -1223.53,-375 cw(c-1280.33,-375) -1240.16,-415.16
  Bottom Layer w12: arduion1.2@-2060,1770 -2060,-410 v1(-1955,-515) ; -2060,1713.2 cw(c-2003.2,1713.2) -2043.36,1753.36 ccw(c-2003.2,1713.2) -2060,1713.2 ; -2060,1713.2 ccw(c-2116.8,1713.2) -2076.64,1753.36 cw(c-2116.8,1713.2) -2060,1713.2 ; -1975.49,-494.51 cw(c-1995.97,-515) -1967,-515 ccw(c-1995.97,-515) -1975.49,-494.51 ; -1975.49,-494.51 ccw(c-1955,-474.03) -1955,-503 cw(c-1955,-474.03) -1975.49,-494.51
B3: arduion1.3 PIN3.8 | length 3960.8
  Top Layer w12: v1(-1905,-565) -1290,-565 PIN3.8@-1100,-375 ; -1131.27,-403.9 cw(c-1091.92,-414.45) PIN3.8@-1100.09,-374.54 ; -1128.9,-406.27 ccw(c-1139.45,-366.92) PIN3.8@-1099.54,-375.09 ; -1876.03,-565 cw(c-1876.03,-536.03) -1896.51,-556.51 ccw(c-1876.03,-536.03) -1876.03,-565 ; -1876.03,-565 ccw(c-1876.03,-593.97) -1896.51,-573.49 cw(c-1876.03,-593.97) -1876.03,-565 ; -1140.16,-415.16 cw(c-1100,-455.33) -1100,-398.53 ccw(c-1100,-455.33) -1140.16,-415.16 ; -1140.16,-415.16 ccw(c-1180.33,-375) -1123.53,-375 cw(c-1180.33,-375) -1140.16,-415.16
  Bottom Layer w12: arduion1.3@-1960.46,1769.91 ccw(c-1920.55,1778.08) -1931.1,1738.73 ; arduion1.3@-1960,1770 -1905,1715 v1(-1905,-565) ; arduion1.3@-1959.91,1770.46 cw(c-1968.08,1730.55) -1928.73,1741.1 ; -1919.84,1729.84 cw(c-1879.67,1770) -1936.47,1770 ccw(c-1879.67,1770) -1919.84,1729.84 ; -1919.84,1729.84 ccw(c-1960,1689.67) -1960,1746.47 cw(c-1960,1689.67) -1919.84,1729.84 ; -1905,-536.03 cw(c-1933.97,-536.03) -1913.49,-556.51 ccw(c-1933.97,-536.03) -1905,-536.03 ; -1905,-536.03 ccw(c-1876.03,-536.03) -1896.51,-556.51 cw(c-1876.03,-536.03) -1905,-536.03
B4: arduion1.4
GND1: A2.1 A2.7 A4.1 A4.7 arduion2.6 display1.1 P1.2 P2.2 PIN3.4 PIN3.5 | length 11231.1
  Top Layer w50: -1746.22,1085.41 ccw(c-1781.69,1217.79) P1.2@-1658.02,1158.71 ; P1.2@-1658.2,1202.1 -1910,950.3 -1910,280 -1840.6,210.6 P2.2@-1653,210.6 -1649.34,210.6 -1308.74,-130 arduion2.6@-1300,-130 ; P2.2@-1653.18,167.21 ccw(c-1526.08,230.45) -1562.83,93.33 ; v1(-1400,-620) -1395,-615 323.55,-615 v1(961.78,23.22) v1@964.53,25.97 ; A4.7@-510,100 -420,190 -420,610 A4.1@-510,700 -415,795 -415,885 A2.7@-510,980 -415,1075 -415,1485 A2.1@-510,1580 ; -1773.24,210.6 cw(c-1773.24,90.36) -1688.22,175.38 ccw(c-1773.24,90.36) -1773.24,210.6 ; -1773.24,210.6 ccw(c-1773.24,330.84) -1688.22,245.82 cw(c-1773.24,330.84) -1773.24,210.6 ; -1817.15,1043.15 cw(c-1658.2,884.2) -1658.2,1108.99 ccw(c-1658.2,884.2) -1817.15,1043.15 ; P1.2@-1731.79,1128.51 cw(c-1658.2,1054.91) -1658.2,1158.99 ccw(c-1658.2,1054.91) P1.2@-1731.79,1128.51 ; P2.2@-1653,117.49 cw(c-1653,-116.12) -1487.81,49.07 ccw(c-1653,-116.12) P2.2@-1653,117.49 ; P2.2@-1653,167.49 cw(c-1653,54.59) -1573.17,134.42 ccw(c-1653,54.59) P2.2@-1653,167.49
  Bottom Layer w50: v1(-1400,-620) -1500,-520 PIN3.4@-1500,-375 PIN3.5@-1400,-375 -1300,-275 arduion2.6@-1300,-130 -1220,-50 -820,-50 -670,100 A4.7@-510,100 ; v1(961.78,23.22) 1155,216.45 1155,1670 1110,1715 display1.1@1055,1715
GND2: arduion2.7
GND3: arduion7.2
GND4: arduion7.1
NetA1_3: A1.3 A1.4 | length 396.2
  Top Layer w10: A1.4@-17.34,1297.34 ccw(c-59.21,1339.21) 0,1339.21 ccw(c59.21,1339.21) A1.4@17.34,1297.34 ; A1.3@-17.34,1362.66 cw(c-59.21,1320.79) 0,1320.79 cw(c59.21,1320.79) A1.3@17.34,1362.66 ; A1.4@-10.27,1290.27 ccw(c-35.07,1315.07) 0,1315.07 ccw(c35.07,1315.07) A1.4@10.27,1290.27 ; A1.3@-10.27,1369.73 cw(c-35.07,1344.93) 0,1344.93 cw(c35.07,1344.93) A1.3@10.27,1369.73 ; A1.4@0,1280 A1.3@0,1380
NetA3_3: A3.3 A3.4 | length 393.3
  Bottom Layer w10: A3.4@-17.34,417.34 ccw(c-59.21,459.21) 0,459.21 ccw(c59.21,459.21) A3.4@17.34,417.34 ; A3.3@-17.34,482.66 cw(c-59.21,440.79) 0,440.79 cw(c59.21,440.79) A3.3@17.34,482.66 ; A3.4@-10.27,410.27 ccw(c-35.07,435.07) 0,435.07 ccw(c35.07,435.07) A3.4@10.27,410.27 ; A3.3@-10.27,489.73 cw(c-35.07,464.93) 0,464.93 cw(c35.07,464.93) A3.3@10.27,489.73 ; A3.4@0,400 0,490 A3.3@5,495
Netdisplay1_3: arduion7.34 display1.3 | length 573.5
  Bottom Layer w20: arduion7.34@800,1650.47 cw(c800,1603.33) 833.34,1636.66 cw(c866.67,1670) arduion7.34@819.53,1670 ; arduion7.34@800,1670 850.47,1619.53 920.52,1619.53 1025.04,1515 ; 970.52,1569.52 ccw(c1055,1653.99) display1.3@1055,1534.53 ; 1004.67,1535.38 ccw(c1055,1585.71) display1.3@1055,1514.53 ; display1.3@1037.13,1507.12 ccw(c1025.04,1501.79) 1025.04,1515 ; display1.3@1037.13,1522.88 cw(c1025.04,1528.21) 1025.04,1515 ; display1.3@1055,1515 1025.04,1515
Netdisplay1_15: display1.15
NetK1_1: K1.1 P1.1 | length 1337.2
  Top Layer w50: P1.1@-1715.2,1431.5 -1571.7,1575 ; P1.1@-1671.78,1431.34 ccw(c-1765.66,1565.33) -1604.52,1537.03 ; K1.1@-1130,1575 -1571.7,1575 ; -1571.71,1574.99 ccw(c-1447.97,1451.26) -1622.28,1435.88 cw(c-1447.97,1451.26) -1571.71,1574.99 ; -1231.9,1575 cw(c-1231.9,1492.78) -1173.77,1550.92 ccw(c-1231.9,1492.78) -1231.9,1575 ; -1231.9,1575 ccw(c-1231.9,1657.22) -1173.77,1599.08 cw(c-1231.9,1657.22) -1231.9,1575
NetK2_1: K2.1 P2.1 | length 1509.1
  Top Layer w50: P2.1@-1710,440 -1675,475 K2.1@-1125,475 ; P2.1@-1626.53,469.45 ccw(c-1578.09,504.95) -1548.06,452.94 ; -1226.9,475 cw(c-1226.9,392.78) -1168.77,450.92 ccw(c-1226.9,392.78) -1226.9,475 ; -1226.9,475 ccw(c-1226.9,557.22) -1168.77,499.08 cw(c-1226.9,557.22) -1226.9,475 ; P2.1@-1666.83,440.14 cw(c-1582.67,355.98) -1582.67,475 ccw(c-1582.67,355.98) P2.1@-1666.83,440.14 ; P2.1@-1631.48,404.78 cw(c-1461.96,235.27) -1461.96,475 ccw(c-1461.96,235.27) P2.1@-1631.48,404.78
RESET: arduion2.3
RESET_B: 
VIN: arduion2.8
pads on no net: arduion2.1 display1.14 display1.16 K1.3 K2.3 K3.3

## Keep-outs
Keep-Out Layer:
  lines w10: 1245,-765 -2260,-765 -2300,-765 cw(c-2300,-640) -2425,-640 -2425,2385 cw(c-2300,2385) -2300,2510 1250,2510 cw(c1250,2385) 1375,2385 1375,-635 ; 1250,-765 ccw(c1250,-640) 1375,-640

## Other copper
Top Layer:
  text "13rd  龙净杯" at -1785,2425 h100
  text "林章敏" at -1775,2400 h80 r270
  text "黄国强" at -1675,2400 h80 r270
  text "王子宣" at -1585,2400 h80 r270
  text "陈东铭" at -1495,2400 h80 r270
  text "郝家骏" at -1410,2400 h80 r270

## Text inside footprints (layer, text, board x,y; h text height)
arduion7: Top Overlay "2" at 820,-50 h50 r90; Top Overlay "1" at 920,-30 h50 r90; Top Overlay "35" at 920,1830 h50 r90; Top Overlay "36" at 820,1830 h50 r90
K1: Top Overlay "1" at -1275,1650 h50 r270
K2: Top Overlay "1" at -1270,550 h50 r270
K3: Top Overlay "1" at -1395,700 h50